# Altium PCB lab1.PcbDoc (part 1 of 3)
Units mm, origin at the board's own origin, x right, y up, seen from the top; angles counter-clockwise.
Board outline 112.9 x 55.9 mm, 2 copper layers (Top Layer, Bottom Layer); 138 components, 105 nets, 653 pads, 1057 vias.
Unrouted connection lines stored in the file: 57.
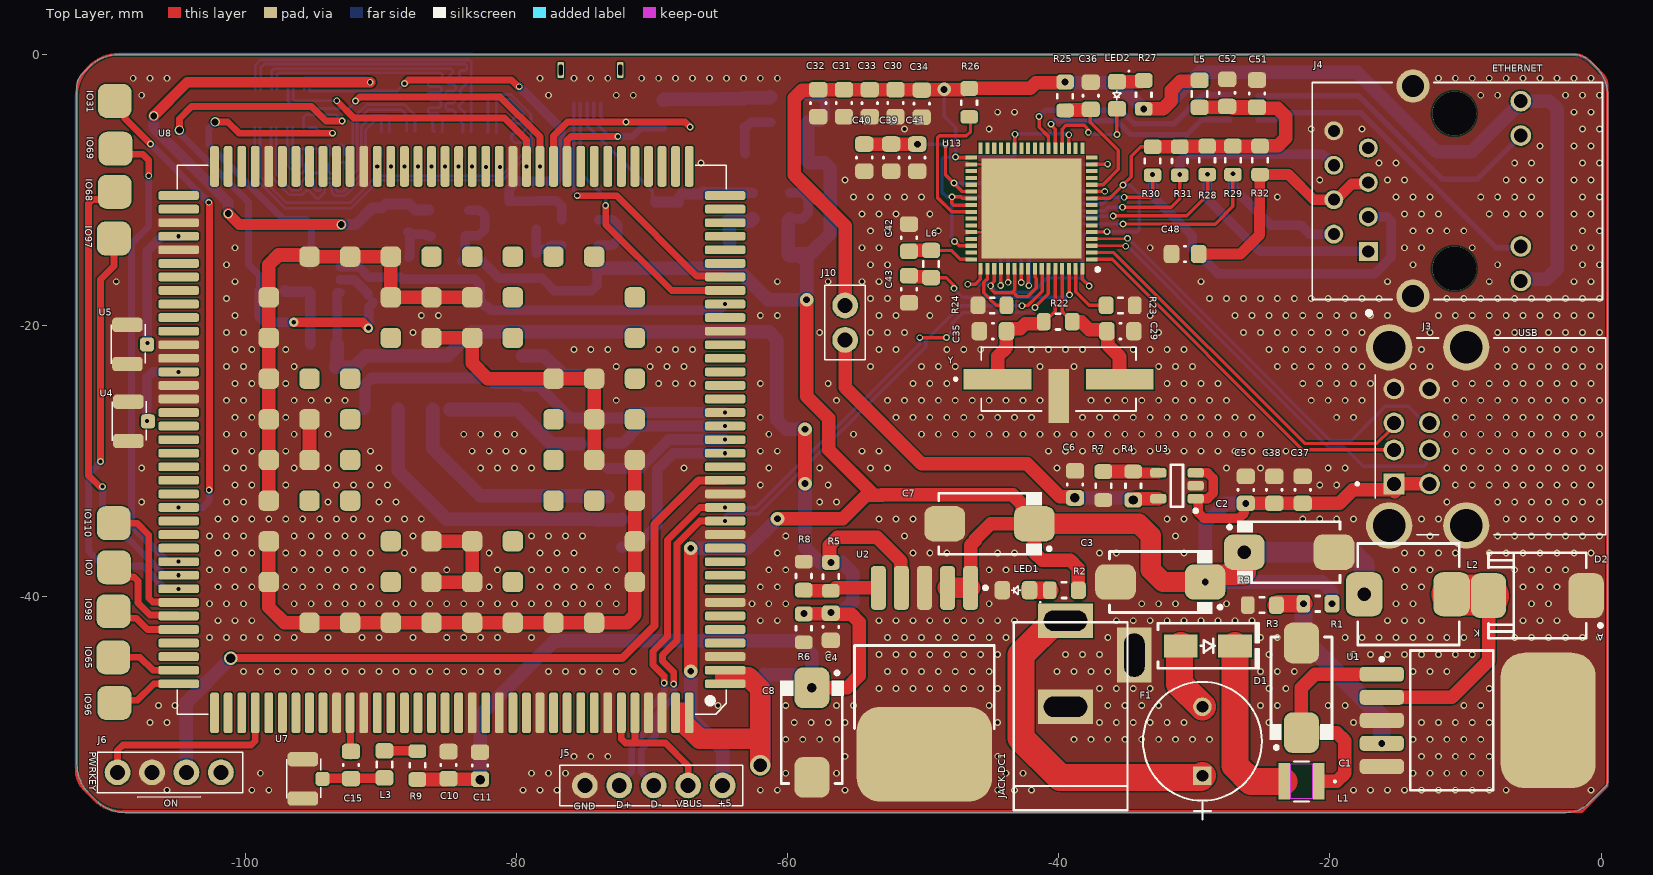
[diagram p0: Top Layer view]
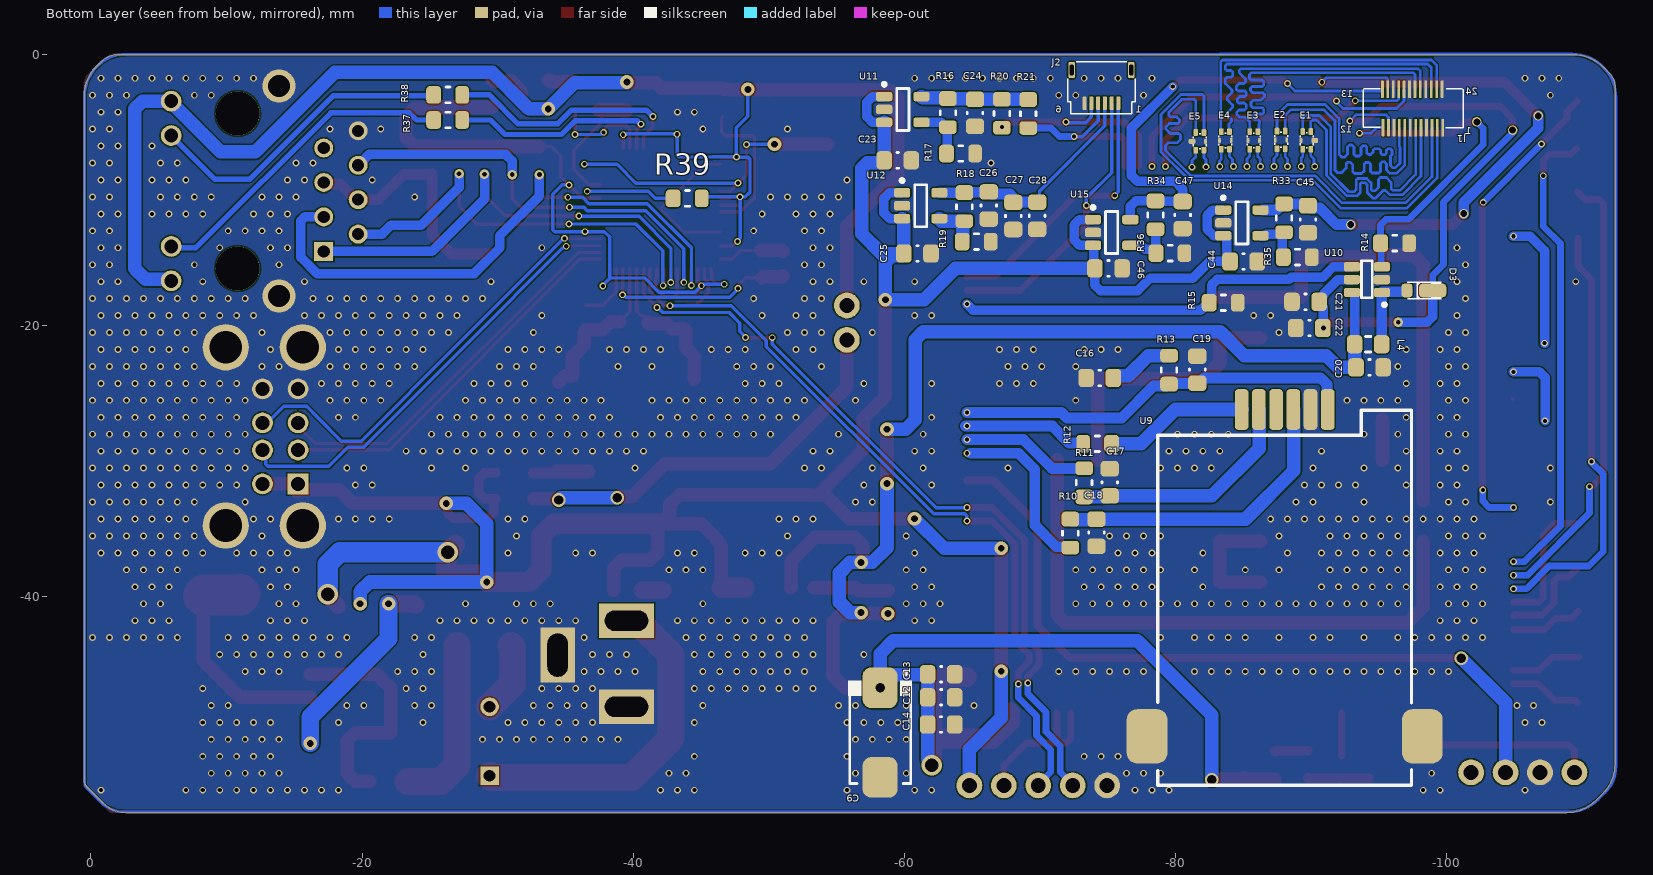
[diagram p1: Bottom Layer view, seen from below]
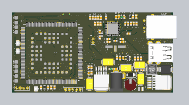
[diagram p4: 3D render of the assembled board from above, using the file's embedded part models]
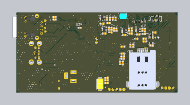
[diagram p5: 3D render of the assembled board from below, using the file's embedded part models]

## Layer stack, top to bottom
Top Solder: solder mask 0.0102, Solder Resist, Dk 3.5
Top Layer: signal copper 0.0356
Dielectric 1: dielectric 0.32, FR-4, Dk 4.8
Bottom Layer: signal copper 0.0356
Bottom Solder: solder mask 0.0102, Solder Resist, Dk 3.5

## Board outline
-111.502,-54.498 cw(c-109.334,-52.33) -112.4,-52.33 -112.4,-2.37 cw(c-111.024,-2.37) -111.997,-1.397 -111.498,-0.898 cw(c-109.33,-3.066) -109.33,0 -2.007,0 cw(c-2.007,-1.707) -0.8,-0.5 -0.398,-0.902 cw(c-2.566,-3.07) 0.5,-3.07 0.5,-53.517 cw(c-0.183,-53.517) 0.3,-54 -0.914,-55.214 cw(c-2.57,-53.558) -2.57,-55.9 -108.83,-55.9 cw(c-108.83,-52.834) -110.998,-55.002

## Design rules (kind name [scope] priority, off if disabled: settings)
Clearance [All] p1: gap=0.1 ignorepadtopadclearanceinfootprint=FALSE
DiffPairsRouting [All] p1: maxlimit=0.2 minlimit=0.2 mostfreqgap=0.2 toplayer_minwidth=0.2 toplayer_maxwidth=0.2 toplayer_prefwidth=0.2 bottomlayer_minwidth=0.2 bottomlayer_maxwidth=0.2 bottomlayer_prefwidth=0.2 maxuncoupledlength=12.7
PolygonConnect [All] p1: connectstyle=Direct reliefconductorwidth=0.254 reliefentries=4 polygonreliefangle="90 Angle" airgapwidth=0.254
RoutingVias [All] p1: holewidth=0 width=0 viastyle="Through Hole" minholewidth=0 minwidth=0 maxholewidth=0 maxwidth=0
SolderMaskExpansion [All] p1: expansion=0.102 istentingtop=FALSE
Width [All] p1: maxlimit=3 minlimit=0.2 preferedwidth=0.3 minimp=50.000000 maximp=50.000000 favimp=50.000000
29 further rules are at their usual default settings.

## Classes and differential pairs
component class USB: C29 C30 C31 C32 C33 C34 C35 C36 C37 C38 C39 C40 C41 C42 C43 C48 C51 C52 J3 J4 J10 L5 L6 LED2 R22 R23 R24 R25 R26 R27 R28 R29 R30 R31 R32 R37 R38 U13 Y
component class SC20: C9 C10 C11 C12 C13 C14 C15 C16 C17 C18 C19 J5 J6 L3 R9 R10 R11 R12 R13 TP4 TP5 TP8 TP9 TP10 TP11 TP12 TP13 TP14 U4 U5 U7 U8 U9
component class Power: C1 C2 C3 C4 C5 C6 C7 C8 D1 D2 F1 "JACK DC1" L1 L2 LED1 R1 R2 R3 R4 R5 R6 R7 R8 U1 U2 U3
component class LCD_Touch: C20 C21 C22 C23 C24 C25 C26 C27 C28 C44 C45 C46 C47 D3 E1 E2 E3 E4 E5 J1 L4 R14 R15 R16 R17 R18 R19 R20 R21 R33 R34 R35 R36 U10 U11 U12 U14 U15
differential pair USB_D: +USB_D_P -USB_D_N
differential pair USB_D3: +USB_D3_P -USB_D3_N
differential pair USB_D2: +USB_D2_P -USB_D2_N
differential pair SC_LN3: +SC_LN3_P -SC_LN3_N
differential pair SC_LN2: +SC_LN2_P -SC_LN2_N
differential pair SC_LN1: +SC_LN1_P -SC_LN1_N
differential pair SC_LN0: +SC_LN0_P -SC_LN0_N
differential pair SC_CLK: +SC_CLK_P -SC_CLK_N

## Components (designator, comment, footprint, x,y, rotation, side; value= is the part's Value field where it differs from the comment)
C1 "100uF 20V" "CAPACITOR TALTALIUM 7443" -22.1,-46.7 r90 top
C2 "470uF 10V" "CAPACITOR TALTALIUM 7443" -23,-36.7 r0 top
C3 "470uF 10V" "CAPACITOR TALTALIUM 7443" -32.5,-38.9 r180 top
C4 "100nF 10V" "c 0805" -56.8,-42.2 r90 top
C5 "4.7uF 10V" "c 0805" -26.2,-32.1 r270 top
C6 "4.7uF 10V" "c 0805" -38.8,-31.7 r270 top
C7 "100uF 10V" "CAPACITOR TALTALIUM 7443" -45.1,-34.6 r180 top
C8 "470uF 10V" "CAPACITOR TALTALIUM 7443" -58.2,-50 r270 top
C9 "100uF 10V" "CAPACITOR TALTALIUM 7443" -58.2,-50 r270 bottom
C10 "1uF 10V" "C 0805" -84.998,-52.398 r270 top
C11 "100pF 10V" "C 0805" -82.672,-52.437 r270 top
C12 "10pF 10V" "C 0805" -62.7,-47.4 r0 bottom
C13 "33pF 10V" "C 0805" -62.7,-45.7 r0 bottom
C14 "100nF 10V" "C 0805" -62.7,-49.4 r0 bottom
C15 "100nF" "C 0805" -92.182,-52.393 r90 top
C16 "33pF 5V" "C 0805" -74.397,-23.847 r180 bottom
C17 "33pF 5V" "C 0805" -75.131,-31.546 r270 bottom
C18 "33pF 5V" "C 0805" -74.15,-35.258 r90 bottom
C19 "33pF 5V" "C 0805" -81.593,-23.239 r270 bottom
C20 "4.7uF 10V" "C 0805" -94.294,-23.07 r0 bottom
C21 "1uF" "C 0805" -89.574,-18.238 r180 bottom
C22 "1nF" "C 0805" -89.854,-20.172 r180 bottom
C23 "4.7uF 10V" "c 0805" -59.5,-7.8 r0 bottom
C24 "4.7uF 10V" "c 0805" -65.2,-4.3 r90 bottom
C25 "4.7uF 10V" "c 0805" -60.949,-14.678 r0 bottom
C26 "4.7uF 10V" "c 0805" -66.213,-11.132 r90 bottom
C27 "100nF 10V" "c 0805" -68.027,-11.905 r90 bottom
C28 "4.7uF 10V" "c 0805" -69.783,-11.888 r90 bottom
C29 "33pF 50V" "c 0805" -35.45,-20.4 r0 top
C30 "4.7uF 10V" "c 0805" -52.032,-3.586 r90 top
C31 "100nF 10V" "c 0805" -55.832,-3.586 r90 top
C32 "100nF 10V" "c 0805" -57.732,-3.586 r90 top
C33 "100nF 10V" "c 0805" -53.932,-3.586 r90 top
C34 "100nF 10V" "c 0805" -50.102,-3.619 r90 top
C35 "33pF 50V" "c 0805" -44.85,-20.4 r180 top
C36 "0.01uF" "c 0805" -37.632,-3.039 r270 top
C37 "4.7uF 10V" "c 0805" -22,-32.1 r270 top
C38 "100nF 10V" "c 0805" -24.1,-32.1 r90 top
C39 "100nF 10V" "c 0805" -52.35,-7.6 r90 top
C40 "4.7uF 10V" "c 0805" -54.333,-7.6 r90 top
C41 "100nF 10V" "c 0805" -50.433,-7.6 r90 top
C42 "0.1uF" "c 0805" -51.045,-13.508 r90 top
C43 "1.0uF" "c 0805" -51.045,-17.308 r90 top
C44 "4.7uF 10V" "c 0805" -85.004,-15.261 r0 bottom
C45 "4.7uF 10V" "c 0805" -89.758,-12.15 r90 bottom
C46 "4.7uF 10V" "c 0805" -75.042,-15.77 r0 bottom
C47 "4.7uF 10V" "c 0805" -80.509,-11.837 r90 bottom
C48 "22nF 10V" "c 0805" -30.678,-14.708 r180 top
C51 "0.1uF 10V 10%" "c 0805" -25.374,-2.88 r270 top
C52 "0.1uF 10V 10%" "c 0805" -27.574,-2.827 r270 top
D1 "SS34" "DIODE SMA" -29,-43.6 r0 top
D2 "DIODE SS34" "DIODE SS34" -6.45,-43.05 r180 top
D3 "DIODE RB16VA-40" RB16VA-40 -98.25,-16.699 r180 bottom
E1 "" ICMEF112P900MFR#1 -89.19,-6.109 r0 bottom
E2 "EMI FILTER" ICMEF112P900MFR#2 -87.294,-6.072 r0 bottom
E3 "EMI FILTER" ICMEF112P900MFR#2 -85.283,-6.112 r0 bottom
E4 "EMI FILTER" ICMEF112P900MFR#2 -83.185,-6.112 r0 bottom
E5 "EMI FILTER" ICMEF112P900MFR#3 -81.302,-6.18 r0 bottom
F1 "38212500000" FUSE_38212500000_LTF -29.4,-53.18 r90 top
IO0 "Test Point" "Test Point" -109.67,-37.817 r0 top (schematic designator TP9)
IO31 "Test Point" "Test Point" -109.612,-3.419 r90 top (schematic designator TP13)
IO65 "Test Point" "Test Point" -109.717,-44.45 r0 top (schematic designator TP5)
IO68 "Test Point" "Test Point" -109.612,-10.122 r90 top (schematic designator TP12)
IO69 "Test Point" "Test Point" -109.551,-6.943 r90 top (schematic designator TP14)
IO96 "Test Point" "Test Point" -109.635,-47.814 r0 top (schematic designator TP4)
IO97 "Test Point" "Test Point" -109.673,-13.565 r90 top (schematic designator TP11)
IO98 "Test Point" "Test Point" -109.706,-41.051 r0 top (schematic designator TP8)
IO110 "Test Point" "Test Point" -109.682,-34.56 r90 top (schematic designator TP10)
J1 "LCM_CONNECT_245804024" A245804024 -93.867,-2.535 r0 bottom
J2 "TOUCH_CONNECT" FH34SRJ-6S-0.5SH -72.024,-4.344 r180 bottom
J3 "SS-52100-003" BEL_SS-52100-003 -9.945,-28.161 r90 top
J4 "HR911105A" HANRUN_HR911105A -10.819,-10.063 r270 top
J5 "Jp 5" Jp5 -64.783,-53.9 r180 top
J6 "Jp 4" Jp4 -109.404,-52.935 r0 top
J10 "Jp 2" Jp2 -55.746,-18.505 r270 top
"JACK DC1" "JACK DC 5.5" "JACK DC 5.5" -36.96,-44.925 r90 top value="Jac DC"
L1 "CBC3225T2R2MR" IND_TAIYO_CBC3225_TAY -22.1,-53.6 r180 top
L2 "100uH" "L 4600" -14.2,-39.8 r180 top
L3 "56nH L 0805" "Ferrite 0805"#1 -89.723,-52.346 r270 top
L4 "22uH L 0805" "Ferrite 0805"#2 -94.187,-21.364 r180 bottom
L5 "L 0805 2Amp/0.05DCR" "Ferrite 0805"#1 -29.61,-2.902 r270 top
L6 "L 0805 2Amp/0.05DCR" "Ferrite 0805"#1 -49.41,-15.447 r270 top
LED1 "LED 0805" "LED 0805" -43.3,-39.5 r180 top
LED2 "LED 0805" "LED 0805" -35.705,-3.155 r270 top
R1 "3.1k" "R 0805" -20.9,-40.5 r0 top
R2 "1K" "R 0805" -39.6,-39.5 r0 top
R3 "1k" "R 0805" -25,-40.6 r0 top
R4 "47k" "R 0805" -34.5,-31.8 r270 top
R5 "2.2k" "R 0805" -56.8,-38.5 r90 top
R6 "2.2k" "R 0805" -58.8,-42.3 r90 top
R7 "15k" "R 0805" -36.7,-31.8 r90 top
R8 "1k" "R 0805" -58.8,-38.45 r270 top
R9 "10R" "R 0805" -87.289,-52.413 r270 top
R10 "22R" "R 0805" -72.23,-35.308 r90 bottom
R11 "22R" "R 0805" -73.245,-31.565 r270 bottom
R12 "22R" "R 0805" -74.225,-28.698 r180 bottom
R13 "10K" "R 0805" -79.507,-23.253 r270 bottom
R14 "5R" "R 0805" -96.155,-13.911 r0 bottom
R15 "10K" "R 0805" -83.517,-18.3 r0 bottom
R16 "15K" "R 0805" -63.2,-4.3 r90 bottom
R17 "12K" "R 0805" -64.15,-7.3 r0 bottom
R18 "30K" "R 0805" -64.413,-11.232 r90 bottom
R19 "12K" "R 0805" -65.307,-13.798 r0 bottom
R20 "10K" "R 0805" -67.175,-4.348 r90 bottom
R21 "10K" "R 0805" -69.125,-4.371 r90 bottom
R22 "1M" "R 0805" -40.05,-19.7 r0 top
R23 "12k" "R 0805" -35.45,-18.5 r180 top
R24 "12.4k 1%" "R 0805" -44.9,-18.5 r180 top
R25 "10k 1%" "R 0805" -39.528,-3.076 r90 top
R26 "10k" "R 0805" -46.6,-3.55 r90 top
R27 "1k" "R 0805" -33.729,-2.96 r90 top
R28 "49.9 1%" "R 0805" -29.05,-7.8 r90 top
R29 "49.9 1%" "R 0805" -27.15,-7.8 r90 top
R30 "49.9 1%" "R 0805" -33.075,-7.85 r90 top
R31 "49.9 1%" "R 0805" -31.075,-7.85 r90 top
R32 "10 1%" "R 0805" -25.15,-7.8 r90 top
R33 "30K" "R 0805" -87.989,-12.062 r90 bottom
R34 "15K" "R 0805" -78.512,-11.835 r90 bottom
R35 "12K" "R 0805" -88.983,-14.94 r0 bottom
R36 "12K" "R 0805" -79.594,-14.643 r0 bottom
R37 "1k" "R 0805" -26.329,-4.828 r0 bottom
R38 "1k" "R 0805" -26.329,-2.976 r0 bottom
R39 "825" "R 0805" -43.991,-10.605 r0 bottom
U1 "LM2576H-ADJ" LM2576H -9.9,-49.1 r0 top
U2 "MIC29302WU" MIC29302WU -49.9,-45.6 r270 top
U3 "AP7365-ADJ" AP7365-ADJ -29.875,-31.8 r180 top
U4 "UF.L-R-SMT" UFL -109.808,-28.476 r90 top
U5 "UF.L-R-SMT" UFL -109.877,-22.803 r90 top
U7 "UF.L-R-SMT" UFL -96.941,-54.84 r90 top
U8 "SC20" SC20 -65.7,-47.65 r180 top
U9 "MUP C719" "MPU C719" -97.385,-26.276 r270 bottom
U10 "SGM3732" SGM3732 -92.796,-17.55 r0 bottom
U11 "AP7365-ADJ" AP7365-ADJ -58.475,-4.05 r180 bottom
U12 "AP7365-ADJ" AP7365-ADJ -59.796,-11.145 r180 bottom
U13 "LAN9512-JZX" QFN50P900X900X100-65N-D -42,-11.35 r180 top
U14 "AP7365-ADJ" AP7365-ADJ -83.48,-12.415 r180 bottom
U15 "AP7365-ADJ" AP7365-ADJ -73.875,-13.122 r180 bottom
Y "ECS-250-18-5G3X-JGN-TR" XTAL_ECS-250-18-5G3X-JGN-TR -40.001,-23.937 r0 top

## Footprints (in the part's own frame and the unit in brackets; to place one, negate y for a bottom-side part, rotate by r counter-clockwise, add the part's x,y. Pads: shape width x height; smd on the part's side, far side on the other; paste and mask are expansions set on the pad)
A245804024 [mm]
  rrect50% 0.2x1.3 smd paste+0 mask+0.102: 1(-5.825,2.85) 2(-5.425,2.85) 3(-5.025,2.85) 4(-4.625,2.85) 5(-4.225,2.85) 6(-3.825,2.85) 7(-3.425,2.85) 8(-3.025,2.85) 9(-2.625,2.85) 10(-2.225,2.85) 11(-1.825,2.85) 12(-1.425,2.85) 13(-1.374,0.025) 14(-1.774,0.025) 15(-2.174,0.025) 16(-2.574,0.025) 17(-2.974,0.025) 18(-3.374,0.025) 19(-3.774,0.025) 20(-4.174,0.025) 21(-4.574,0.025) 22(-4.974,0.025) 23(-5.374,0.025) 24(-5.774,0.025)
  silkscreen extent -7.32,-0.02 0.03,2.86
AP7365-ADJ [mm] "SOT23, 5-Leads, Body 3.00x2.85mm, Pitch 0.95mm, IPC Medium Density"
  rrect50% 1.2x0.7 smd paste+0 mask+0.102: 1(0.025,0.95) 2(0.025,0) 3(0.025,-0.95) 4(2.775,-0.95) 5(2.775,0.95)
  silkscreen extent -0.1,-1.55 1.85,1.97, body extent -0.1,-1.55 2.9,1.55, height 1.3
BEL_SS-52100-003 [mm]
  rect 1.53x1.53 / inner round 1.53 / far side rect 1.53x1.53 hole 1.02 paste+0 mask+0.102: 1(-3.5,5.33)
  round 1.53 hole 1.02 paste+0 mask+0.102: 2(-1,5.33) 3(1,5.33) 4(3.5,5.33) 5(-3.5,2.71) 6(-1,2.71) 7(1,2.71) 8(3.5,2.71)
  round 3.416 hole 2.4 paste+0 mask+0.102: S1(-6.57,5.68) S2(6.57,5.68) S3(-6.57,0) S4(6.57,0)
  silkscreen extent -7.25,-10.28 7.25,8.14, body extent -7.9,-10.3 7.9,6.9, height 15.95
"c 0805" [mm] "Chip Capacitor, 2-Leads, Body 2.05x1.23mm, IPC Medium Density"
  rrect50% 1.15x1.35 smd paste+0 mask+0.102: 1(-1,0) 2(1,0)
  silkscreen extent -0.05,-0.58 0.05,0.58, body extent -1.05,-0.64 1.05,0.64, height 1
"C 0805" [mm] "Chip Capacitor, 2-Leads, Body 2.05x1.23mm, IPC Medium Density"
  rrect50% 1.15x1.35 smd paste+0 mask+0.102: 1(-1,0) 2(1,0)
  silkscreen extent -0.05,-0.58 0.05,0.58, body extent -1.05,-0.63 1.05,0.64, height 1
"CAPACITOR TALTALIUM 7443" [mm] "Molded Capacitor, 2-Leads, Body 7.35x4.35mm, IPC Low Density"
  rrect50% 3x2.6 smd paste+0 mask+0.102: 1(-3.305,0) 2(3.305,0)
  silkscreen extent -4.52,-2.35 3.75,2.35, body extent -3.82,-2.26 3.78,2.34, height 4.31
"DIODE SMA" [mm] "SMA"
  rect 2.5x1.7 smd paste+0 mask+0.102: 1(-2,0) 2(2,0)
  silkscreen extent -3.68,-1.65 3.75,1.65, body extent -2.6,-1.37 2.6,1.37, height 2.4
"DIODE SS34" [mm] "SODFL, 2-Leads, Body 5.90x7.95mm, IPC Medium Density"
  rrect50% 2.6x3.3 smd paste+0 mask+0.102: 1(-5.35,-3.15) 2(1.85,-3.15)
  silkscreen extent -6.53,-6.3 1.85,0, body extent -5.72,-6.27 2.23,-0.02, height 2.65
"Ferrite 0805"#1 [mm] "Chip Inductor, 2-Leads, Body 2.00x1.20mm, IPC Medium Density"
  rrect50% 1.14x1.34 smd: 1(-1,0) 2(1,0)
  silkscreen extent -0.2,-0.57 0.2,0.57, body extent -1.05,-0.65 1.05,0.65, height 0.6
"Ferrite 0805"#2 [mm] "Chip Inductor, 2-Leads, Body 2.00x1.20mm, IPC Medium Density"
  rrect50% 1.14x1.34 smd paste+0 mask+0.102: 1(-1,0) 2(1,0)
  silkscreen extent -0.2,-0.57 0.2,0.57, body extent -1.05,-0.65 1.05,0.65, height 0.6
FH34SRJ-6S-0.5SH [mm]
  rrect50% 0.5x1.2 hole 0.3 slot 0.8 at 90 deg paste+0 mask+0.102: 0(0.3,3.2) 0(4.7,3.2)
  rrect50% 0.3x1 smd paste+0 mask+0.102: 1(3.75,0.75) 2(3.25,0.75) 3(2.75,0.75) 4(2.25,0.75) 5(1.75,0.75) 6(1.25,0.75)
  silkscreen extent 0,-0.03 5,3.8, body extent 0,0 5,3.8
FUSE_38212500000_LTF [mil]
  rect 54x54 / inner round 60 / far side rect 54x54 hole 34 paste+0 mask+0: 1(0,0)
  round 54 / inner round 60 / far side round 54 hole 34 paste+0 mask+0: 2(200,0)
  silkscreen extent -127,-172 272,172, body extent -67,-168 269,168, height 296
HANRUN_HR911105A [mm]
  rect 1.398x1.398 / inner round 1.398 / far side rect 1.398x1.398 hole 0.89: 1(4.45,-6.35)
  round 1.398 hole 0.89: 2(3.18,-8.89) 3(1.91,-6.35) 4(0.64,-8.89) 5(-0.63,-6.35) 6(-1.9,-8.89) 7(-3.17,-6.35) 8(-4.44,-8.89)
  round 1.53 hole 1.02: 9(6.625,4.9) 10(4.085,4.9) 11(-4.085,4.9) 12(-6.625,4.9)
  round 2.445 hole 1.63: 15(7.745,-3.05) 16(-7.745,-3.05)
  round 3.25 hole 3.25 unplated: ""(-5.715,0) ""(5.715,0)
  silkscreen extent -8,-10.48 9.15,10.92, body extent -8.02,-7.35 8.02,13.95, height 13.5
ICMEF112P900MFR#1 [mm]
  rrect50% 0.35x0.5 smd: 1(-0.775,0.875) 2(-0.175,0.875) 3(-0.175,-0.425) 4(-0.775,-0.425)
  rrect50% 0.5x0.35 smd: 5(-1.056,0.225)
  rrect50% 0.2x0.35 smd: 6(-0.05,0.225)
  silkscreen extent -0.95,-0.32 0,0.77
ICMEF112P900MFR#2 [mm]
  rrect50% 0.35x0.5 smd: 1(-0.775,0.875) 2(-0.175,0.875) 3(-0.175,-0.425) 4(-0.775,-0.425)
  rrect50% 0.2x0.35 smd: 5(-0.9,0.225) 6(-0.05,0.225)
  silkscreen extent -0.95,-0.32 0,0.77
ICMEF112P900MFR#3 [mm]
  rrect50% 0.35x0.5 smd: 1(-0.775,0.875) 2(-0.175,0.875) 3(-0.175,-0.425) 4(-0.775,-0.425)
  rrect50% 0.2x0.35 smd: 5(-0.9,0.225)
  rrect50% 0.5x0.35 smd: 6(0.1,0.225)
  silkscreen extent -0.95,-0.32 0,0.77
IND_TAIYO_CBC3225_TAY [mil]
  rect 33.5x106 smd paste+0 mask+0: 1(-50.25,0) 2(50.25,0)
  Top Layer keep-out region: -31.5,-51 -31.5,51 31.5,51 31.5,-51
  silkscreen extent -100,-58 21,58, body extent -68,-53 68,53, height 106
"JACK DC 5.5" [mm] "Jac DC input"
  rect 2.54x4.064 hole 1.5 slot 3.2 at 90 deg paste+0 mask+0.102: 1(3.175,2.54) 2(-3.175,2.54)
  rect 4.064x2.54 hole 1.5 slot 3.2 at 0 deg paste+0 mask+0.102: 3(0.635,-2.54)
  silkscreen extent -10.79,-2.03 3.05,6.35, body extent -10.42,-2.67 3.4,6.84, height 11.02
Jp2 [mm]
  round 1.9 hole 1.1: 1(0,0) 2(2.54,0)
  silkscreen extent -1.5,-1.5 4,1.5
Jp4 [mm]
  round 1.9 hole 1.1: 1(0,0) 2(2.54,0) 3(5.08,0) 4(7.62,0)
  silkscreen extent -1.5,-1.5 9.25,1.5
Jp5 [mm]
  round 1.9 hole 1.1: 1(0,0) 2(2.54,0) 3(5.08,0) 4(7.62,0) 5(10.16,0)
  silkscreen extent -1.5,-1.5 12,1.5
"L 4600" [mm] "Precision Wire Wound Inductor, 2-Leads, Body 7.30x7.30mm, IPC Medium Density"
  rrect50% 2.7x3.25 smd paste+0 mask+0.102: 1(-3.175,0) 2(3.275,0)
  silkscreen extent -3.75,-3.75 3.75,3.75, body extent -3.63,-3.65 3.8,3.65, height 4.55
"LED 0805" [mm] "Chip Capacitor, 2-Leads, Body 2.05x1.22mm, IPC Medium Density"
  rrect50% 1.15x1.35 smd paste+0 mask+0.102: 1(-1.15,0) 2(0.85,0)
  silkscreen extent -1.99,-0.33 0.2,0.94, body extent -1.11,-0.63 0.91,0.62, height 1.11
LM2576H [mm]
  rrect50% 3.25x1.1 smd paste+0 mask+0.102: 1(-6.275,3.4) 2(-6.275,1.7) 3(-6.275,0) 4(-6.275,-1.7) 5(-6.275,-3.4)
  rrect50% 7x10 smd paste+0 mask+0.102: 3(6,0)
  silkscreen extent -6.4,-5.15 1.95,5.15, body extent -6.99,-5 8.68,5, height 4.78
MIC29302WU [mm]
  rrect50% 3.25x1.1 smd paste+0 mask+0.102: 1(-6.274,3.401) 2(-6.274,1.701) 3(-6.274,0.001) 4(-6.274,-1.699) 5(-6.274,-3.399)
  rrect50% 7x10 smd paste+0 mask+0.102: 3(6.001,0.001)
  silkscreen extent -6.4,-5.15 4.1,5.15, body extent -6.99,-5 8.68,5, height 4.78
"MPU C719" [mm]
  rrect50% 3x1 smd paste+0 mask+0.102: C1(-0.1,-6.175) C2(-0.1,-8.715) C3(-0.1,-11.255) C5(-0.1,-7.445) C6(-0.1,-9.985) C7(-0.1,-12.525)
  rrect50% 4x3 smd paste+0 mask+0.102: S1(24,-19.5) S1(24,0.8)
  silkscreen extent -0.05,-18.7 27.6,0, body extent -0.18,-19.48 27.67,0.72, height 2.05
QFN50P900X900X100-65N-D [mm]
  rect 0.85x0.3 smd paste+0 mask+0.102: 1(-4.45,3.75) 2(-4.45,3.25) 3(-4.45,2.75) 4(-4.45,2.25) 5(-4.45,1.75) 6(-4.45,1.25) 7(-4.45,0.75) 8(-4.45,0.25) 9(-4.45,-0.25) 10(-4.45,-0.75) 11(-4.45,-1.25) 12(-4.45,-1.75) 13(-4.45,-2.25) 14(-4.45,-2.75) 15(-4.45,-3.25) 16(-4.45,-3.75) 33(4.45,-3.75) 34(4.45,-3.25) 35(4.45,-2.75) 36(4.45,-2.25) 37(4.45,-1.75) 38(4.45,-1.25) 39(4.45,-0.75) 40(4.45,-0.25) 41(4.45,0.25) 42(4.45,0.75) 43(4.45,1.25) 44(4.45,1.75) 45(4.45,2.25) 46(4.45,2.75) 47(4.45,3.25) 48(4.45,3.75)
  rect 0.3x0.85 smd paste+0 mask+0.102: 17(-3.75,-4.45) 18(-3.25,-4.45) 19(-2.75,-4.45) 20(-2.25,-4.45) 21(-1.75,-4.45) 22(-1.25,-4.45) 23(-0.75,-4.45) 24(-0.25,-4.45) 25(0.25,-4.45) 26(0.75,-4.45) 27(1.25,-4.45) 28(1.75,-4.45) 29(2.25,-4.45) 30(2.75,-4.45) 31(3.25,-4.45) 32(3.75,-4.45) 49(3.75,4.45) 50(3.25,4.45) 51(2.75,4.45) 52(2.25,4.45) 53(1.75,4.45) 54(1.25,4.45) 55(0.75,4.45) 56(0.25,4.45) 57(-0.25,4.45) 58(-0.75,4.45) 59(-1.25,4.45) 60(-1.75,4.45) 61(-2.25,4.45) 62(-2.75,4.45) 63(-3.25,4.45) 64(-3.75,4.45)
  rect 7.4x7.4 smd paste+0 mask+0.102: 65(0,0)
  silkscreen extent -5,4.38 -4.75,4.62
"R 0805" [mm] "Chip Resistor, 2-Leads, Body 2.00x1.20mm, IPC Medium Density"
  rrect50% 1x1.3 smd paste+0 mask+0.102: 1(-1.05,0)
  rrect50% 1.1x1.3 smd paste+0 mask+0.102: 2(1.05,0)
  silkscreen extent -0.15,-0.58 0.15,0.58, body extent -1,-0.6 1,0.6, height 0.5
RB16VA-40 [mm]
  rrect50% 0.8x1 smd paste+0 mask+0.102: 1(-1.2,-0.7)
  rrect50% 2x1 smd paste+0 mask+0.102: 2(0.7,-0.7)
  silkscreen extent -1.17,-1.35 1.33,-0.05, body extent -1.17,-1.32 1.33,-0.02, height 0.81
SC20 [mm]
  rrect50% 3x0.65 smd paste+0 mask+0.102: 1(-1.1,-1.25) 2(-1.1,-2.25) 3(-1.1,-3.25) 4(-1.1,-4.25) 5(-1.1,-5.25) 6(-1.1,-6.25) 7(-1.1,-7.25) 8(-1.1,-8.25) 9(-1.1,-9.25) 10(-1.1,-10.25) 11(-1.1,-11.25) 12(-1.1,-12.25) 13(-1.1,-13.25) 14(-1.1,-14.25) 15(-1.1,-15.25) 16(-1.1,-16.25) 17(-1.1,-17.25) 18(-1.1,-18.25) 19(-1.1,-19.25) 20(-1.1,-20.25) 21(-1.1,-21.25) 22(-1.1,-22.25) 23(-1.1,-23.25) 24(-1.1,-24.25) 25(-1.1,-25.25) 26(-1.1,-26.25) 27(-1.1,-27.25) 28(-1.1,-28.25) 29(-1.1,-29.25) 30(-1.1,-30.25) 31(-1.1,-31.25) 32(-1.1,-32.25) 33(-1.1,-33.25) 34(-1.1,-34.25) 35(-1.1,-35.25) 36(-1.1,-36.25) 37(-1.1,-37.25) 74(39.2,-37.25) 75(39.2,-36.25) 76(39.2,-35.25) 77(39.2,-34.25) 78(39.2,-33.25) 79(39.2,-32.25) 80(39.2,-31.25) 81(39.2,-30.25) 82(39.2,-29.25) 83(39.2,-28.25) 84(39.2,-27.25) 85(39.2,-26.25) 86(39.2,-25.25) 87(39.2,-24.25) 88(39.2,-23.25) 89(39.2,-22.25) 90(39.2,-21.25) 91(39.2,-20.25) 92(39.2,-19.25) 93(39.2,-18.25) 94(39.2,-17.25) 95(39.2,-16.25) 96(39.2,-15.25) 97(39.2,-14.25) 98(39.2,-13.25) 99(39.2,-12.25) 100(39.2,-11.25) 101(39.2,-10.25) 102(39.2,-9.25) 103(39.2,-8.25) 104(39.2,-7.25) 105(39.2,-6.25) 106(39.2,-5.25) 107(39.2,-4.25) 108(39.2,-3.25) 109(39.2,-2.25) 110(39.2,-1.25)
  rrect50% 0.65x3 smd paste+0 mask+0.102: 38(1.55,-39.4) 39(2.55,-39.4) 40(3.55,-39.4) 41(4.55,-39.4) 42(5.55,-39.4) 43(6.55,-39.4) 44(7.55,-39.4) 45(8.55,-39.4) 46(9.55,-39.4) 47(10.55,-39.4) 48(11.55,-39.4) 49(12.55,-39.4) 50(13.55,-39.4) 51(14.55,-39.4) 52(15.55,-39.4) 53(16.55,-39.4) 54(17.55,-39.4) 55(18.55,-39.4) 56(19.55,-39.4) 57(20.55,-39.4) 58(21.55,-39.4) 59(22.55,-39.4) 60(23.55,-39.4) 61(24.55,-39.4) 62(25.55,-39.4) 63(26.55,-39.4) 64(27.55,-39.4) 65(28.55,-39.4) 66(29.55,-39.4) 67(30.55,-39.4) 68(31.55,-39.4) 69(32.55,-39.4) 70(33.55,-39.4) 71(34.55,-39.4) 72(35.55,-39.4) 73(36.55,-39.4) 111(36.55,0.9) 112(35.55,0.9) 113(34.55,0.9) 114(33.55,0.9) 115(32.55,0.9) 116(31.55,0.9) 117(30.55,0.9) 118(29.55,0.9) 119(28.55,0.9) 120(27.55,0.9) 121(26.55,0.9) 122(25.55,0.9) 123(24.55,0.9) 124(23.55,0.9) 125(22.55,0.9) 126(21.55,0.9) 127(20.55,0.9) 128(19.55,0.9) 129(18.55,0.9) 130(17.55,0.9) 131(16.55,0.9) 132(15.55,0.9) 133(14.55,0.9) 134(13.55,0.9) 135(12.55,0.9) 136(11.55,0.9) 137(10.55,0.9) 138(9.55,0.9) 139(8.55,0.9) 140(7.55,0.9) 141(6.55,0.9) 142(5.55,0.9) 143(4.55,0.9) 144(3.55,0.9) 145(2.55,0.9) 146(1.55,0.9)
  rrect50% 1.5x1.5 smd paste+0 mask+0.102: 147(5.55,-8.75) 148(5.55,-11.75) 149(5.55,-14.75) 150(5.55,-17.75) 151(5.55,-29.75) 152(5.55,-20.75) 153(5.55,-23.75) 154(5.55,-26.75) 155(8.55,-32.75) 156(11.55,-32.75) 157(14.55,-32.75) 158(17.55,-32.75) 159(20.55,-32.75) 160(23.55,-32.75) 161(26.55,-32.75) 162(29.55,-32.75) 163(32.55,-29.75) 164(32.55,-26.75) 165(32.55,-23.75) 166(32.55,-20.75) 167(32.55,-17.75) 168(32.55,-14.75) 169(32.55,-11.75) 170(32.55,-8.75) 171(29.55,-5.75) 172(26.55,-5.75) 173(23.55,-5.75) 174(20.55,-5.75) 175(17.55,-5.75) 176(14.55,-5.75) 177(11.55,-5.75) 178(8.55,-5.75) 179(8.55,-14.75) 180(8.55,-17.75) 181(8.55,-20.75) 182(8.55,-23.75) 183(14.55,-29.75) 184(17.55,-29.75) 185(20.55,-29.75) 186(23.55,-29.75) 187(29.55,-23.75) 188(29.55,-20.75) 189(29.55,-17.75) 190(29.55,-14.75) 191(23.55,-8.75) 192(20.55,-8.75) 193(17.55,-8.75) 194(14.55,-8.75) 195(11.55,-14.75) 196(11.55,-17.75) 197(11.55,-20.75) 198(11.55,-23.75) 199(14.55,-26.75) 200(17.55,-26.75) 201(20.55,-26.75) 202(23.55,-26.75) 203(26.55,-23.75) 204(26.55,-20.75) 205(26.55,-17.75) 206(26.55,-14.75) 207(23.55,-11.75) 208(20.55,-11.75) 209(17.55,-11.75) 210(14.55,-11.75)
  silkscreen extent -1.2,-39.5 39.3,1
SGM3732 [mm] "SOT23, 6-Leads, Body 2.92x2.80mm, Pitch 0.95mm, IPC Low Density"
  rrect50% 1.2x0.69 smd paste+0 mask+0.102: 1(-2.4,0) 2(-2.4,-0.95) 3(-2.4,-1.9) 4(-0.2,-1.9) 5(-0.2,-0.95) 6(-0.2,0)
  silkscreen extent -2.71,-2.35 -0.9,1.02, body extent -2.49,-2.44 -0.15,0.48, height 1
"Test Point" [mm]
  rrect50% 2.5x2.5 smd paste+0 mask+0.102: 1(0,0)
UFL [mm]
  rrect50% 1.05x2.25 smd paste+0 mask+0.102: E(-0.025,-1.2) E(2.875,-1.2)
  rrect50% 1.05x1.05 smd paste+0 mask+0.102: S(1.425,-2.65)
  silkscreen extent 0,-2.52 2.9,0, body extent -0.28,-2.83 3.12,0.27, height 1.35
XTAL_ECS-250-18-5G3X-JGN-TR [mm]
  rect 5x1.5 smd paste+0 mask+0.102: 1(-4.5,0) 2(4.5,0)
  rect 1.5x4 smd paste+0 mask+0.102: 3(0,-1.25)
  silkscreen extent -7.7,-2.35 5.7,2.35

## Part data
C1 C2 C3 C7 C8 C9: library part "C Polarize 8x10.2"
C4 C5 C6 C10 C11 C12 C13 C14 C15 C16 C17 C18 C19 C20 C21 C22 C23 C24 C25 C26 C27 C28 C29 C30 C31 C32 C33 C34 C35 C36 C37 C38 C39 C40 C41 C42 C43 C44 C45 C46 C47 C48 C51 C52: library part "C 0805"
D1: library part "Diode SS34 ( 1N5822 )", "Dán", Chung_Loai=Dán, Don_Vi=Con, Ma_Hang=MH002104, Ten_Linh_Kien="Diode SS34 3A 40V SMA ( 1N5822 SS34A)"
E1: library part "EMI FILTER"
F1: "No Description Available", Mfr_Name="Littelfuse Inc", Copyright="Copyright (C) 2023 Ultra Librarian. All rights reserved.", Manufacturer_Part_Number=38212500000, RefDes=RefDes, Type=DEV
J3: "USB 2.0 - A Connector", Package=None, Check_prices=https://www.snapeda.com/parts/SS-52100-003/Stewart+Connector/view-part/?ref=eda, Digi-Key_Part_Number=380-1414-ND, MF="Stewart Connector", MP=SS-52100-003, Purchase-URL=https://pricing.snapeda.com/search/part/SS-52100-003/?ref=eda, SnapEDA_Link=https://www.snapeda.com/parts/SS-52100-003/Stewart+Connector/view-part/?ref=snap
J4: "DIP RJ45 Connector;", Package=None, Availability="Not in stock", Check_prices=https://www.snapeda.com/parts/HR911105A/HanRun/view-part/?ref=eda, MF=hanrun, MP=HR911105A, Price=None, SnapEDA_Link=https://www.snapeda.com/parts/HR911105A/HanRun/view-part/?ref=snap
L1: "No Description Available", Mfr_Name="Taiyo Yuden", Copyright="Copyright (C) 2023 Ultra Librarian. All rights reserved.", Manufacturer_Part_Number=CBC3225T2R2MR, RefDes=RefDes, Type=DEV
L2: library part "L 4600"
L3 L4 L5 L6: library part "Ferite 0805"
R1 R2 R3 R4 R5 R6 R7 R8 R9 R10 R11 R12 R13 R14 R15 R16 R17 R18 R19 R20 R21 R22 R23 R24 R25 R26 R27 R28 R29 R30 R31 R32 R33 R34 R35 R36 R37 R38 R39: library part "R 0805"
U1: library part LM2576H
U13: library part LAN9512-JZX-TR, "No Description Available", Mfr_Name=Microchip, Copyright="Copyright (C) 2023 Ultra Librarian. All rights reserved.", Manufacturer_Part_Number=LAN9512-JZX-TR, RefDes=RefDes, Type=DEV
Y: "25MHz Â±20ppm Crystal 18pF 30 Ohms HC-49/US", Package="HC-49/US ECS Inc.", Availability=Warning, DigiKey-Purchase-URL=https://snapeda.com/shop?store=DigiKey&id=3224549, MF="ECS Inc.", MP=ECS-250-18-5G3X-JGN-TR, Price=None, SnapEDA_Link=https://www.snapeda.com/parts/ECS-250-18-5G3X-JGN-TR/ECS%20Inc./view-part/3224549/?ref=snap

## Via types
v1: diameter 0.5, hole 0.3, Top Layer to Bottom Layer, tented both sides, 1017 vias
v2: diameter 1, hole 0.5, Top Layer to Bottom Layer, tented both sides, 18 vias
v3: diameter 0.7, hole 0.35, Top Layer to Bottom Layer, tented both sides, 6 vias
v4: diameter 1, hole 0.7, Top Layer to Bottom Layer, tented both sides, 5 vias
v5: diameter 0.7, hole 0.5, Top Layer to Bottom Layer, tented both sides, 5 vias
v6: diameter 0.5, hole 0.3, Top Layer to Bottom Layer, 3 vias
v7: diameter 1.5, hole 1, Top Layer to Bottom Layer, tented both sides, 3 vias

## Nets (pads, with @x,y where several pads share a name; then routed paths per layer and width w, separated by ;. In a path a pad name is that pad's centre, name@x,y a point inside that pad or via, vN(x,y) a via of type N, cw(c..) or ccw(c..) an arc to the next point about the centre after c; other vN are vias at no path point)
+3.3: C6.2 J10.2 R4.2 U3.5 | length 30.1
  Top Layer w1: J10.2@-55.746,-21.045 -55.746,-24.548 -50.113,-30.181 -42.334,-30.181 -39.89,-32.625 -38.875,-32.625 v4(-38.8,-32.7) ; v4(-34.5,-32.85) -34.4,-32.85 -34.3,-32.75 U3.5@-32.65,-32.75
  Bottom Layer w1: v4(-38.8,-32.7) -34.65,-32.7 v4(-34.5,-32.85)
+5: C2.1 C3.1 C5.2 C7.1 C23.2 C25.2 C37.2 C38.1 C44.2 C46.2 J3.1 J3.5 J5.1 L2.2 R1.2 R2.2 U2.1 U2.2 U3.1 U3.3 U11.1 U11.3 U12.1 U12.3 U14.1 U14.3 U15.1 U15.3 | length 225.6
  Top Layer w0.7: U3.1@-29.9,-32.75 -29.01,-32.75 -28.6,-32.34 -28.6,-31.26 -29.01,-30.85 U3.3@-29.9,-30.85 ; U3.1@-29.5,-32.754 -29.7,-32.954 -29.7,-33.79 -29.29,-34.2 -26.71,-34.2 -26.31,-33.8 -26.31,-33.11 C5.2@-26.3,-33.1
  Top Layer w1: v2(-67.136,-45.483) v2(-67.136,-36.416) ; v2(-60.736,-34.226) -55.917,-34.226 -54.191,-32.5 -53.611,-32.5 ; v2(-58.592,-18.086) -58.592,-25.205 -56.963,-26.834 -56.963,-29.148 -53.901,-32.21 -53.611,-32.5 ; -53.033,-32.477 -43.381,-32.477 -42.702,-33.155 -42.702,-33.811 -41.914,-34.6 C7.1@-41.795,-34.6 -41.795,-36.714 -41.209,-37.3 -39.136,-37.3 -38.55,-37.886 R2.2@-38.55,-39.5 ; -53.01,-32.5 -53.611,-32.5 ; U2.1@-46.499,-39.326 -46.499,-36.201 -46.151,-35.852 -46.151,-35.751 -45,-34.6 C7.1@-42.35,-34.6 ; v2(-26.2,-33.1) C38.1@-24.1,-33.1 C37.2@-22,-33.1 -19.3,-33.1 -18.3,-32.1 -15.36,-32.1 J3.1@-15.23,-32.23 ; J3.1@-15.275,-31.661 J3.5@-12.655,-31.661
  Top Layer w1.2: L2.2@-18.219,-40.65 -17.678,-40.109 -17.678,-40.003 v7(-17.475,-39.8)
  Top Layer w1.5: U2.2@-48.199,-39.326 U2.1@-46.499,-39.326 ; C7.1@-41.795,-34.6 -34.079,-34.6 -33.2,-35.479 -33.2,-38 -32.3,-38.9 v2(-29.195,-38.9) -28.645,-38.35 -26.377,-38.35 -26.2,-38.173 -26.2,-36.805 v7(-26.305,-36.7) C2.1@-26.855,-36.15
  Bottom Layer w0.7: U14.1@-83.505,-11.465 -82.724,-11.465 -82.314,-11.875 -82.314,-12.88 -82.799,-13.365 U14.3@-83.505,-13.365 -83.755,-13.365 -83.755,-14.131 -83.779,-14.155 -83.779,-15.036 C44.2@-84.004,-15.261 -82.493,-15.261 -81.265,-16.489 -78.117,-16.489 -77.183,-17.423 -74.452,-17.423 -74.042,-17.013 C46.2@-74.042,-15.77 -73.971,-15.699 -73.971,-14.072 U15.3@-73.9,-14.072 -72.914,-14.072 -72.504,-13.662 -72.504,-12.582 -72.914,-12.172 U15.1@-73.9,-12.172 ; U12.3@-59.821,-12.095 -58.896,-12.095 -58.486,-11.685 -58.486,-10.605 -58.896,-10.195 U12.1@-59.821,-10.195 ; U11.3@-58.5,-5 -57.637,-5 -57.227,-4.59 -57.227,-3.51 -57.637,-3.1 U11.1@-58.5,-3.1
  Bottom Layer w1: C46.2@-73.971,-15.699 -73.971,-15.766 -73.967,-15.77 -63.75,-15.77 -61.434,-18.086 v2(-58.592,-18.086) -58.592,-15.303 -59.042,-14.853 -59.874,-14.853 -59.949,-14.778 C25.2@-59.949,-14.678 ; v2(-67.136,-45.483) -67.136,-48.895 -64.783,-51.248 J5.1@-64.783,-53.9 ; v2(-67.136,-36.416) -62.926,-36.416 v2(-60.736,-34.226) ; U12.3@-59.821,-12.095 -59.821,-12.145 -59.949,-12.273 C25.2@-59.949,-14.678 ; U11.3@-58.5,-5 C23.2@-58.5,-7.8 -58.5,-7.9 -58.425,-7.975 -57.252,-7.975 -56.841,-8.386 -56.841,-13.224 -58.295,-14.678 C25.2@-59.949,-14.678 ; v2(-26.2,-33.1) -27.7,-33.1 -29.2,-34.6 -29.2,-38.895 v2(-29.195,-38.9) -29.19,-38.895 -20.559,-38.895 -19.85,-39.604 v2(-19.85,-40.5)
  Bottom Layer w1.5: v7(-26.305,-36.7) -18.354,-36.7 -17.475,-37.579 v7(-17.475,-39.8)
+12: C1.1 L1.1 U1.1 | length 17.4
  Top Layer w1: L1.1@-20.546,-53.6 -19.486,-53.6 -18.9,-53.014 -18.9,-50.591 -19.486,-50.005 C1.1@-22.1,-50.005 -22.1,-46.7 -21.1,-45.7 U1.1@-16.175,-45.7
ANT_GNSS: C15.2 U8.121 | length 3.2
  Top Layer w0.5: U8.121@-92.25,-48.55 -92.228,-48.572 -92.228,-51.721 C15.2@-92.206,-51.743
ANT_MAIN: U4.S U8.87 | length 5.7
  Bottom Layer w0.7: v6(-107.234,-27.01) -107.234,-23.81 -106.824,-23.4 v1(-104.9,-23.4)
ANT_WIFI: U5.S U8.77 | length 9.6
  Bottom Layer w0.7: v6(-107.2,-21.286) -107.2,-14.464 -106.136,-13.4 v1(-104.9,-13.4)
CLK_PLL: C17.2 R11.2 U9.C3 | length 17.3
  Bottom Layer w1: U9.C3@-86.17,-26.176 -86.17,-29.037 -82.661,-32.546 C17.2@-75.131,-32.546 -75.062,-32.615 R11.2@-73.245,-32.615
DAT_PLL: R12.2 U9.C7 | length 10.7
  Bottom Layer w1: U9.C7@-84.9,-26.176 -79.967,-26.176 -77.445,-28.698 R12.2@-75.275,-28.698
ETH_PLL: C42.1 L6.1 U13.48 | length 4.9
  Top Layer w0.25: L6.1@-49.41,-14.447 -47.911,-14.447 -47.258,-15.1 U13.48@-46.45,-15.1
  Top Layer w1: C42.1@-51.045,-14.508 -50.984,-14.447 L6.1@-49.41,-14.447